# Altium PCB higgs.PcbDoc (part 10 of 25) (continued)
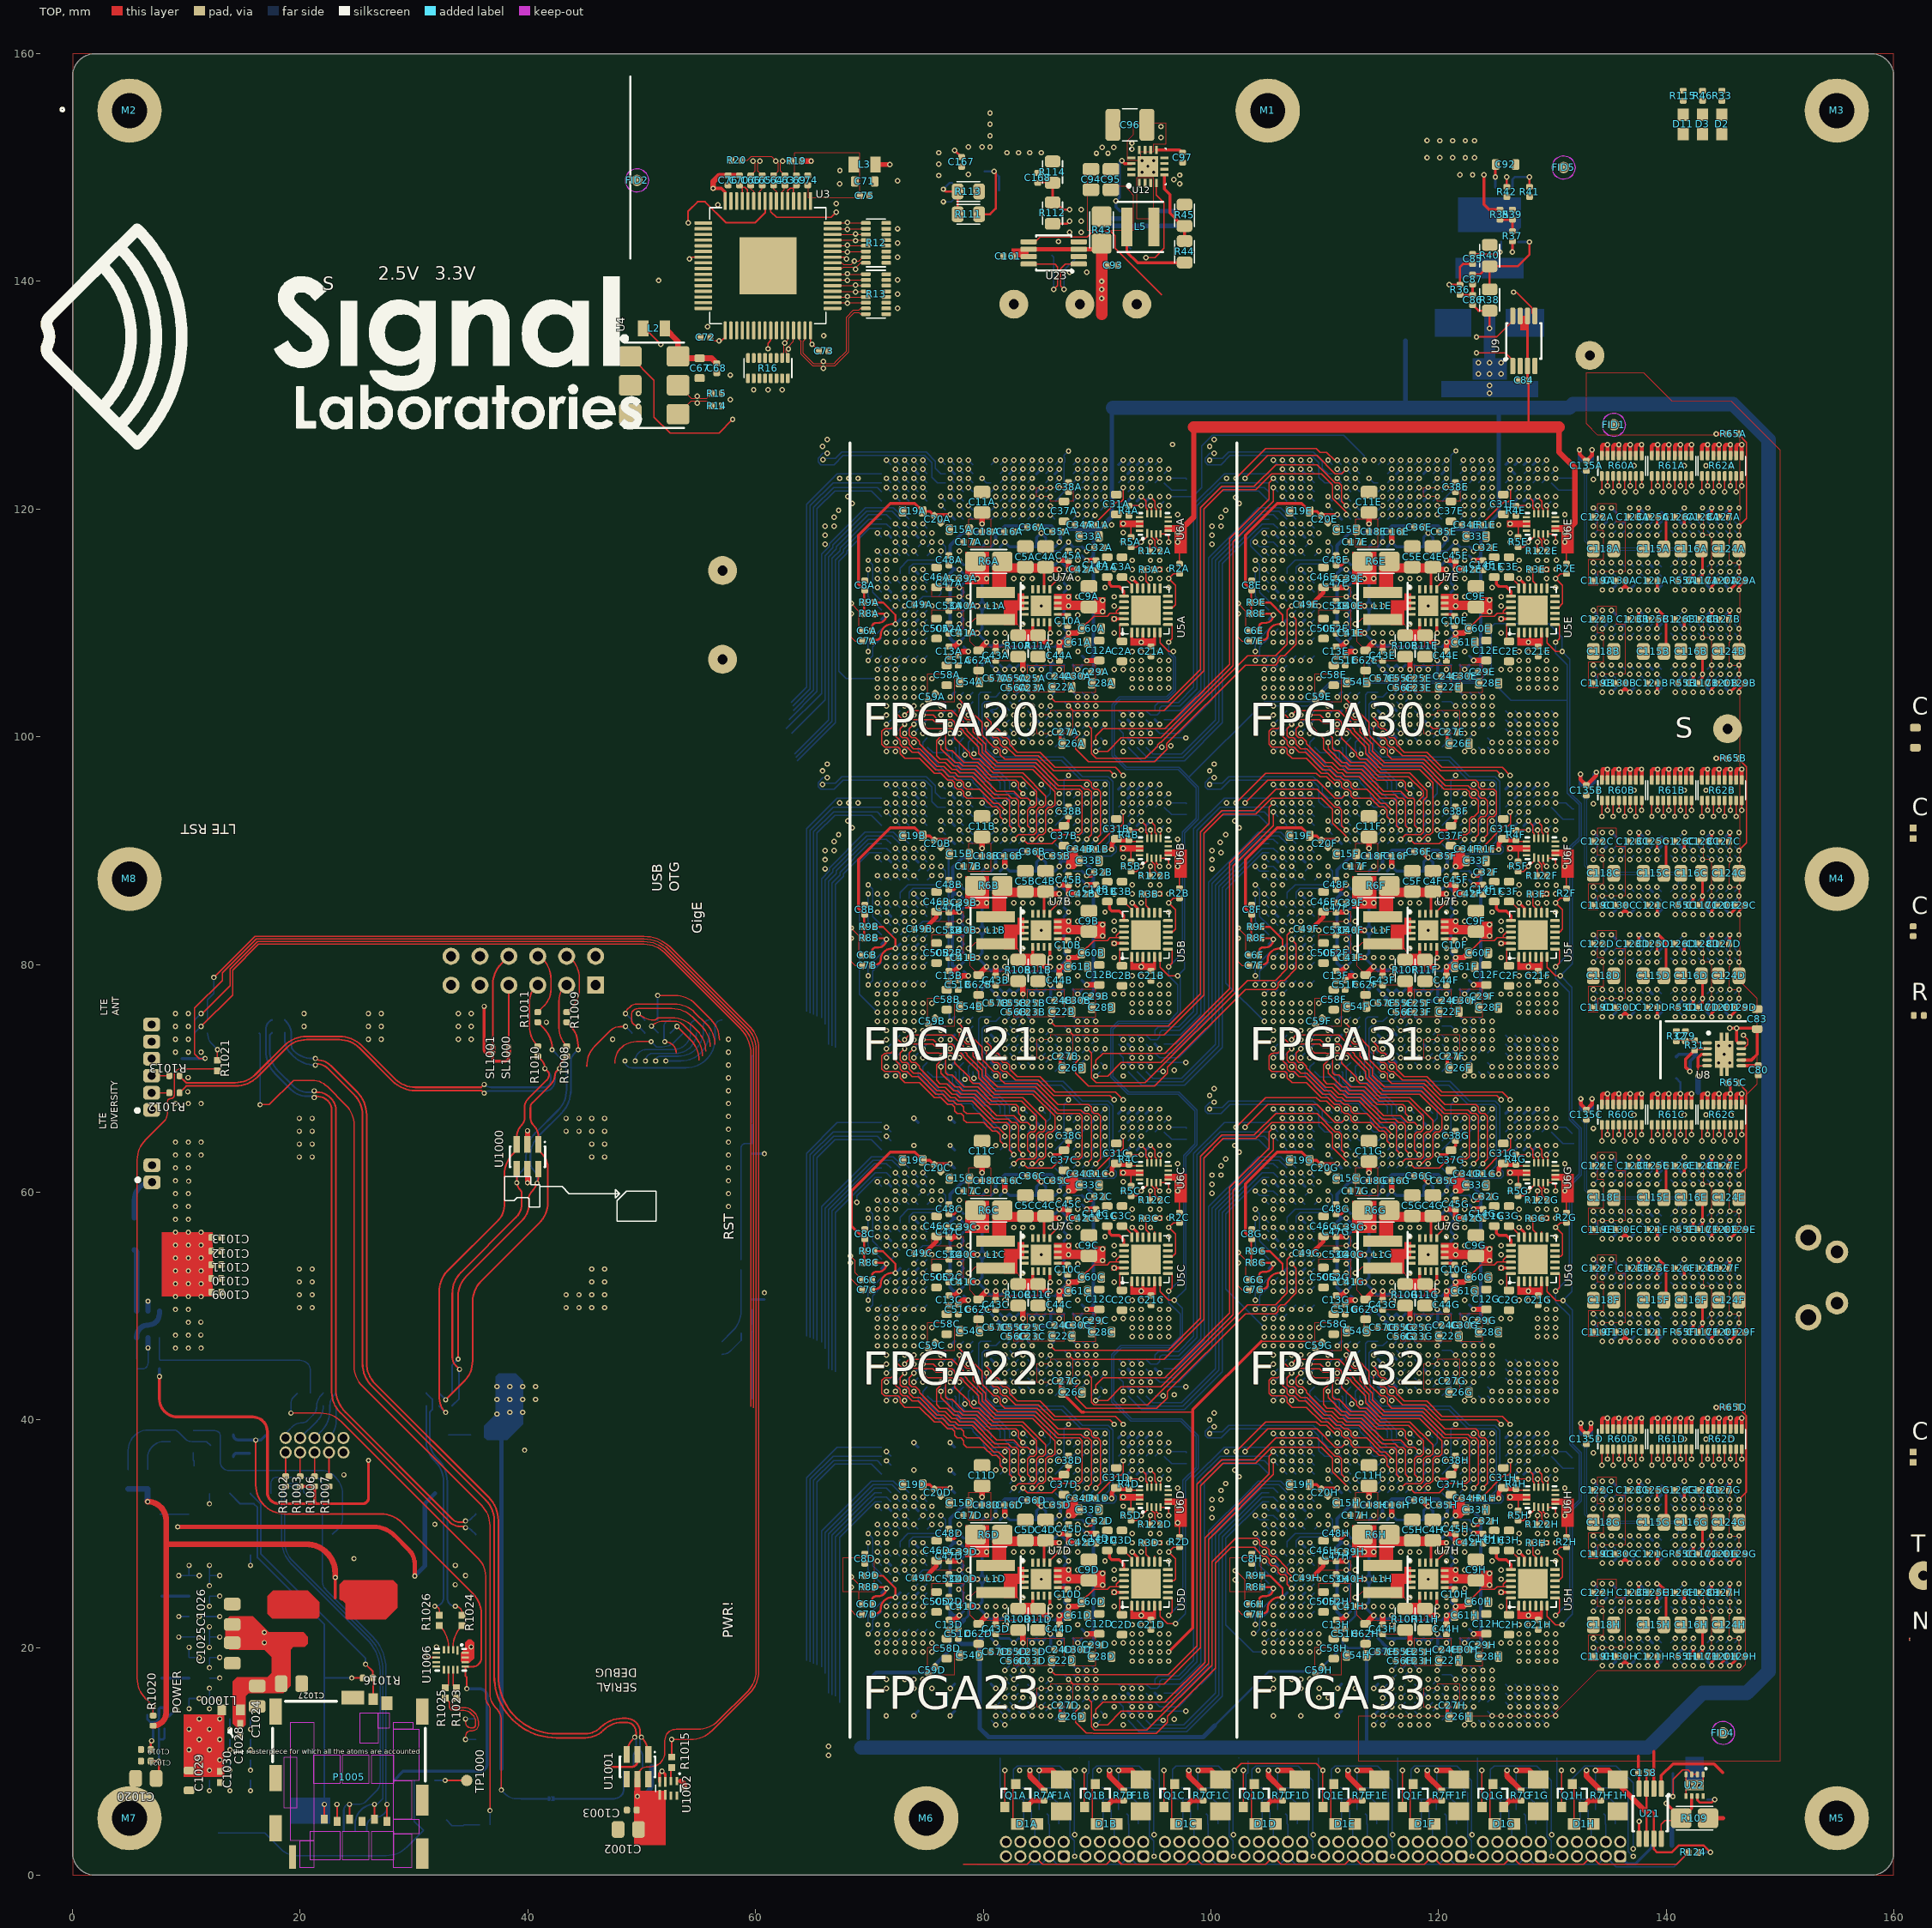
[diagram p0: TOP view]
## Nets (pads, with @x,y where several pads share a name; then routed paths per layer and width w, separated by ;. In a path a pad name is that pad's centre, name@x,y a point inside that pad or via, vN(x,y) a via of type N, cw(c..) or ccw(c..) an arc to the next point about the centre after c; other vN are vias at no path point) (continued)
  BOT w0.102: U1B.U28@83.9,73.8 v1(84.3,73.4) ; v1(107.1,95) U1F.D2@107.5,94.6
  other v1: 101.4,94.2
IL07_31.LR.G0.D4_P: U1B.T29 U1F.D3 | length 42.9
  S6(H) w0.102: v1(82.7,72.6) 82.7,72.836 83.099,73.235 83.099,73.368 83.101,73.37 83.101,73.565 83.335,73.799 83.664,73.799 83.899,74.035 83.899,76.099 84.699,76.899 84.699,81.099 85.401,81.801 88.465,81.801 90.101,83.436 90.101,83.665 90.636,84.201 91.401,84.201 92.201,85.001 97.008,85.001 98.693,86.686 98.693,92.11 101.583,95 101.592,95 102.153,95.562 104.743,95.562 105.21,95.094 105.641,95.094 106.136,94.599 106.701,94.599 v1(107.1,94.2)
  BOT w0.102: v1(82.7,72.6) U1B.T29@83.1,73 ; v1(107.1,94.2) U1F.D3@107.5,93.8
IL07_31.LR.G0.S_N: U1B.T28 U1F.C2 | length 41.4
  S6(H) w0.102: v1(82.7,73.4) 82.7,73.636 83.1,74.036 83.1,76 83.901,76.801 83.901,77.601 84.364,78.064 84.364,81.664 85.301,82.601 88.136,82.601 90.736,85.2 91.969,85.2 92.075,85.306 92.23,85.306 92.725,85.801 97.101,85.801 98.109,86.809 98.109,92.151 101.824,95.866 104.869,95.866 105.336,95.399 105.899,95.399 106.298,95 v1(106.3,95)
  BOT w0.102: v1(82.7,73.4) U1B.T28@83.1,73.8 ; v1(106.3,95) U1F.C2@106.7,94.6
IL07_31.LR.G0.S_P: U1B.R29 U1F.B1 | length 42.1
  S6(H) w0.102: v1(81.9,72.6) 82.301,73.001 82.301,75.632 83.101,76.432 83.101,77.701 83.899,78.499 83.899,82.364 84.936,83.401 88.465,83.401 90.664,85.6 91.8,85.6 92.5,86.3 92.8,86.6 96.83,86.6 97.804,87.574 97.804,92.277 101.698,96.171 105.3,96.171 105.5,95.971 v1(105.5,95.8)
  BOT w0.102: v1(81.9,72.6) U1B.R29@82.3,73 ; v1(105.5,95.8) U1F.B1@105.9,95.4
IL07_31.LR.G1.D0_N: U1B.P30 U1F.E1 | length 46.3
  S6(H) w0.102: v1(81.1,71.8) 81.5,72.2 81.5,76 82.299,76.799 82.299,77.699 83.1,78.5 83.1,82.538 84.763,84.201 88.601,84.201 91.801,87.401 97.2,87.401 97.499,87.7 97.499,92.404 101.571,96.476 107.224,96.476 v1(107.9,95.8)
  BOT w0.102: v1(81.1,71.8) U1B.P30@81.5,72.2 ; v1(107.9,95.8) U1F.E1@108.3,95.4
IL07_31.LR.G1.D0_P: U1B.P31 U1F.F2 | length 49.4
  S6(H) w0.102: v1(81.9,71) 81.499,71.401 80.935,71.401 80.701,71.635 80.701,71.999 80.7,72 80.7,76.3 81.501,77.101 81.501,77.799 82.604,78.902 82.604,82.473 85.132,85.001 88.502,85.001 91.702,88.201 96.465,88.201 96.701,88.436 96.701,92.036 101.445,96.781 107.484,96.781 108.299,95.965 108.299,95.702 108.301,95.7 108.301,95.401 108.7,95.002 v1(108.7,95)
  BOT w0.102: U1B.P31@81.5,71.4 v1(81.9,71) ; v1(108.7,95) U1F.F2@109.1,94.6
IL07_31.LR.G1.D1_N: U1B.T30 U1F.H1 | length 45.8
  S6(H) w0.102: v1(83.5,72.6) 83.899,72.201 84.465,72.201 84.701,72.436 84.701,72.765 84.936,73.001 85.265,73.001 85.499,73.235 85.499,73.564 85.736,73.801 86.065,73.801 86.299,74.035 86.299,77.564 87.099,78.364 87.099,79.199 88.29,80.39 88.652,80.39 89.662,81.4 91.614,81.4 93.806,83.591 96.891,83.591 99.607,86.307 99.607,91.732 101.371,93.495 104.84,93.495 106.135,92.201 107.265,92.201 107.499,92.435 107.499,92.764 107.735,92.999 107.898,92.999 107.9,93.001 108.065,93.001 108.299,93.235 108.299,93.564 108.536,93.801 108.865,93.801 109.099,94.035 109.099,94.404 109.899,95.204 109.899,95.399 v1(110.3,95.8)
  BOT w0.102: U1B.T30@83.1,72.2 v1(83.5,72.6) ; v1(110.3,95.8) U1F.H1@110.7,95.4
IL07_31.LR.G1.D1_P: U1B.R30 U1F.F1 | length 45.5
  S6(H) w0.102: v1(82.7,71.8) 83.099,72.199 83.099,72.764 83.335,72.999 83.6,72.999 84.464,72.999 84.699,73.235 84.699,73.564 84.935,73.799 85.264,73.799 85.499,74.035 85.499,76.468 85.804,76.773 85.804,77.539 86.299,78.035 86.299,78.835 88.159,80.694 88.525,80.694 89.931,82.1 91.164,82.1 92.961,83.896 96.765,83.896 99.303,86.434 99.303,91.858 101.245,93.8 105.664,93.8 105.899,93.565 105.899,93.401 105.901,93.399 105.901,93.235 106.136,92.999 107.264,92.999 107.501,93.236 107.501,93.565 107.736,93.801 108.065,93.801 108.299,94.035 108.299,94.364 108.536,94.601 108.865,94.601 109.099,94.835 109.099,95.401 v1(108.7,95.8)
  BOT w0.102: U1B.R30@82.3,72.2 v1(82.7,71.8) ; v1(108.7,95.8) U1F.F1@109.1,95.4
IL07_31.LR.G1.D2_N: U1B.P32 U1F.H3 | length 52.8
  S1(V) w0.102: v1(81.9,70.2) 82.3,70.6 82.3,78 86.901,82.601 88.096,82.601 91.295,85.799 96.5,85.799 97.804,87.103 97.804,90.201 100.205,92.602 100.205,95.425 100.394,95.615 v1@100.394,96.306
  BOT w0.102: U1B.P32@81.5,70.6 v1(81.9,70.2) ; v1(100.3,96.4) 99.936,96.4 99.501,95.965 99.501,95.635 99.735,95.401 100.901,95.401 101.699,96.199 108.865,96.199 108.932,96.132 109.5,95.566 109.5,94.3 110,93.8 U1F.H3@110.7,93.8
IL07_31.LR.G1.D2_P: U1B.N32 U1F.H2 | length 49.9
  S1(V) w0.102: v1(81.1,70.2) 81.499,70.599 81.499,78.035 86.865,83.401 88.465,83.401 90.9,85.836 90.9,86.7 92.401,88.201 96.8,88.201 97.265,88.201 97.499,88.435 97.499,90.328 99.9,92.729 v1(99.9,95.8)
  BOT w0.102: U1B.N32@80.7,70.6 v1(81.1,70.2) ; v1@99.933,95.933 101.002,95.933 101.573,96.504 108.993,96.504 109.805,95.692 109.805,95.1 110.305,94.6 U1F.H2@110.7,94.6
IL07_31.LR.G1.D3_N: U1B.Y30 U1F.K3 | length 42.7
  S1(V) w0.102: v1(85.9,72.6) 85.499,73.001 85.499,77.099 87.001,78.601 90.065,78.601 93.501,82.036 93.501,82.365 93.736,82.6 96.793,82.6 99.023,84.83 99.023,88.723 99.5,89.2 v1(100.1,89.2)
  S5(V) w0.102: v1(100.1,89.2) 100.5,89.6 100.5,90.164 100.598,90.263 100.627,90.234 101.037,90.234 101.204,90.401 103.166,90.401 103.974,91.209 109,91.209 109.901,92.11 109.901,93.1 110.6,93.799 111.264,93.799 111.664,94.2 v1(111.9,94.2)
  BOT w0.102: v1(85.9,72.6) U1B.Y30@86.3,72.2 ; v1(111.9,94.2) U1F.K3@112.3,93.8
IL07_31.LR.G1.D3_P: U1B.W30 U1F.J3 | length 44.1
  S1(V) w0.102: v1(85.1,71.8) 84.701,72.199 84.701,77.901 86.2,79.4 86.699,79.4 ; 86.7,79.401 89.615,79.401 94.109,83.894 97.656,83.894 98.718,84.956 98.718,89.809 99.71,90.8 v1@100.9,90.8
  S5(V) w0.102: v1(100.832,90.729) 103.063,90.729 103.848,91.514 108.874,91.514 109.596,92.236 109.596,93.226 110.57,94.2 v1(111.1,94.2)
  BOT w0.102: v1(85.1,71.8) U1B.W30@85.5,72.2 ; v1(111.1,94.2) U1F.J3@111.5,93.8
IL07_31.LR.G1.D4_N: U1B.U30 U1F.L1 | length 53.5
  S1(V) w0.102: v1(84.3,71.8) 83.901,72.199 83.901,78.739 85.362,80.2 89.2,80.2 91.1,82.1 91.1,83.799 ; 91.101,83.8 91.101,83.965 91.335,84.199 96.1,84.199 96.102,84.201 96.465,84.201 98.414,86.149 98.414,89.945 98.975,90.507 98.975,90.511 100.814,92.35 100.814,94.3 101.3,94.786 101.3,96.469 100.3,97.469 v1(100.3,97.6)
  S6(H) w0.102: v1(100.3,97.6) 111.6,97.6 112.7,96.5 v1(112.7,95.8)
  BOT w0.102: U1B.U30@83.9,72.2 v1(84.3,71.8) ; v1(112.7,95.8) U1F.L1@113.1,95.4
IL07_31.LR.G1.D4_P: U1B.U31 U1F.K1 | length 52.7
  S1(V) w0.102: v1(84.3,71) 83.1,72.2 83.1,78.369 85.73,80.999 88.624,80.999 90.101,82.476 90.101,83.665 90.636,84.201 90.865,84.201 91.665,85.001 96.465,85.001 98.109,86.644 98.109,90.075 100.51,92.476 100.51,95.299 100.699,95.489 100.699,96.565 100.264,97 v1(99.9,97)
  S2(H) w0.102: v1(99.9,97) 106.369,97 106.474,96.895 110.985,96.895 111.9,95.98 v1(111.9,95.8)
  BOT w0.102: U1B.U31@83.9,71.4 v1(84.3,71) ; v1(111.9,95.8) U1F.K1@112.3,95.4
IL07_31.LR.G1.S_N: U1B.T31 U1F.J1 | length 48.7
  TOP w0.102: v1(102.2,94.2) 104.8,96.8 109.28,96.8 109.585,96.495 110.169,96.495 110.864,95.8 v1(111.1,95.8)
  S1(V) w0.102: v1(83.5,71) 83.899,70.601 86.545,70.601 87.901,71.956 87.901,71.965 88.135,72.199 88.464,72.199 88.699,72.435 88.699,73.564 88.936,73.801 89.265,73.801 89.501,74.036 89.501,74.365 89.735,74.599 89.9,74.599 89.902,74.601 90.065,74.601 90.364,74.9 90.5,74.9 92.599,76.999 97.506,76.999 99.186,78.679 99.186,82.555 101.309,84.678 101.309,88.047 101.699,88.437 101.699,91.565 101.3,91.964 101.3,93.3 v1(102.2,94.2)
  BOT w0.102: U1B.T31@83.1,71.4 v1(83.5,71) ; v1(111.1,95.8) U1F.J1@111.5,95.4
IL07_31.LR.G1.S_P: U1B.R32 U1F.K2 | length 50.5
  TOP w0.102: v1(103,94.2) 104.999,96.199 109.336,96.199 110.935,94.601 111.501,94.601 v1(111.9,95)
  S1(V) w0.102: v1(82.7,71) 83.404,70.296 87.361,70.296 88.699,71.635 88.699,71.948 88.701,71.95 88.701,71.965 88.935,72.199 89.264,72.199 89.499,72.435 89.499,73.4 89.501,73.402 89.501,73.565 89.736,73.801 90.299,73.801 90.698,74.2 90.7,74.2 92.7,76.2 97.138,76.2 99.49,78.553 99.49,82.386 101.7,84.596 101.7,87.962 102.1,88.362 102.1,91.8 101.7,92.2 101.7,92.9 v1(103,94.2)
  BOT w0.102: U1B.R32@82.3,70.6 v1(82.7,71) ; v1(111.9,95) U1F.K2@112.3,94.6
IL07_31.LR.G2.D0_N: U1B.Y27 U1F.K7 | length 45.7
  TOP w0.102: v1(87.5,74.2) 87.899,73.801 95.901,73.801 99.4,77.3 99.4,91.5 101.1,93.2 103.936,93.2 105.336,94.6 109.705,94.6 110.699,93.605 110.699,92.601 110.701,92.599 110.701,92.435 111.9,91.236 v1(111.9,91)
  BOT w0.102: U1B.Y27@86.3,74.6 87.1,74.6 v1(87.5,74.2) ; v1(111.9,91) U1F.K7@112.3,90.6
IL07_31.LR.G2.D0_P: U1B.Y26 U1F.K6 | length 46.5
  TOP w0.102: v1(85.9,75) 86.3,74.6 96.269,74.6 99.095,77.426 99.095,91.626 100.974,93.505 103.809,93.505 105.704,95.399 109.336,95.399 110.935,93.801 111.198,93.801 111.2,93.799 111.265,93.799 111.499,93.565 111.499,93.236 111.501,93.235 111.501,92.199 v1(111.9,91.8)
  BOT w0.102: v1(85.9,75) U1B.Y26@86.3,75.4 ; v1(111.9,91.8) U1F.K6@112.3,91.4
IL07_31.LR.G2.D1_N: U1B.W28 U1F.L4 | length 38.4
  S2(H) w0.102: v1(85.9,74.2) 89.577,77.877 89.577,78.197 90.769,79.389 90.769,80.433 92.935,82.599 96.485,82.599 100.6,86.714 100.6,88.731 103.992,92.123 109.197,92.123 109.596,92.523 109.596,92.892 110.504,93.799 112.301,93.799 v1(112.7,93.4)
  BOT w0.102: U1B.W28@85.5,73.8 v1(85.9,74.2) ; v1(112.7,93.4) U1F.L4@113.1,93
IL07_31.LR.G2.D1_P: U1B.Y28 U1F.K5 | length 36.1
  S2(H) w0.102: v1(86.7,73.4) 86.7,73.964 90.186,77.451 90.186,77.944 93.053,80.811 95.559,80.811 101.21,86.461 101.21,88.479 104.245,91.514 109.449,91.514 110.136,92.201 111.501,92.201 v1(111.9,92.6)
  BOT w0.102: U1B.Y28@86.3,73.8 v1(86.7,73.4) ; v1(111.9,92.6) U1F.K5@112.3,92.2
IL07_31.LR.G2.D2_N: U1B.W29 U1F.N7 | length 41.1
  S2(H) w0.102: v1(85.9,73.4) 86.395,73.895 86.395,74.091 89.882,77.577 89.882,78.07 92.927,81.115 95.433,81.115 100.905,86.587 100.905,88.605 104.118,91.818 109.323,91.818 109.901,92.396 109.901,92.765 110.135,92.999 110.6,92.999 113.101,92.999 v1(115.1,91)
  BOT w0.102: U1B.W29@85.5,73 v1(85.9,73.4) ; U1F.N7@114.7,90.6 v1(115.1,91)
IL07_31.LR.G2.D2_P: U1B.Y29 U1F.N6 | length 46.7
  S6(H) w0.102: v1(86.7,72.6) 87.099,72.999 87.099,75.899 87.709,76.509 87.709,78.209 88.101,78.601 88.663,78.601 90.263,80.201 91.665,80.201 91.964,80.5 ; 91.96,80.504 93.055,81.6 98.256,81.6 100.41,83.754 100.41,87.91 104.396,91.896 107.761,91.896 108.299,92.435 108.299,92.498 108.301,92.5 108.301,92.765 108.535,92.999 109.099,92.999 109.901,93.801 112.936,93.801 113.736,94.601 114.464,94.601 115.501,93.564 115.501,92.201 v1(115.1,91.8)
  BOT w0.102: U1B.Y29@86.3,73 v1(86.7,72.6) ; U1F.N6@114.7,91.4 v1(115.1,91.8)
IL07_31.LR.G2.D3_N: U1B.AC27 U1F.P7 | length 38.6
  S2(H) w0.102: v1(89.1,74.2) 89.499,74.599 90.064,74.599 91.899,76.435 91.899,77.564 92.935,78.599 92.999,78.599 ; 93,78.6 97.9,78.6 98.2,78.9 98.2,80.5 ; 98.182,80.5 98.182,81.71 102.429,85.956 102.429,87.974 104.254,89.799 110.598,89.799 110.6,89.801 115.101,89.801 115.9,90.6 v1(115.9,91)
  BOT w0.102: U1B.AC27@88.7,74.6 v1(89.1,74.2) ; U1F.P7@115.5,90.6 v1(115.9,91)
IL07_31.LR.G2.D3_P: U1B.AB26 U1F.P6 | length 39.1
  S2(H) w0.102: v1(88.3,75) 88.3,75.133 90.491,77.325 90.491,77.818 93.179,80.506 95.685,80.506 101.514,86.335 101.514,88.352 104.371,91.209 110.5,91.209 110.69,91.399 111,91.399 ; 111,91.4 111.8,91.4 112.065,91.401 112.299,91.635 112.299,91.964 112.535,92.199 113.336,92.199 114.935,90.601 115.265,90.601 115.5,90.836 115.5,91.4 v1(115.9,91.8)
  BOT w0.102: U1B.AB26@87.9,75.4 v1(88.3,75) ; U1F.P6@115.5,91.4 v1(115.9,91.8)
IL07_31.LR.G2.D4_N: U1B.AD26 U1F.L6 | length 35.2
  S2(H) w0.102: v1(89.9,75) 91.101,76.201 91.101,77.565 92.936,79.4 96.9,79.4 97.8,80.3 97.8,80.8 ; 97.782,80.8 97.782,81.741 102.124,86.082 102.124,88.1 104.623,90.599 110.074,90.599 110.478,90.195 112.46,90.195 113.099,90.835 113.099,91.399 v1(112.7,91.8) v1(112.7,91.8)
  BOT w0.102: U1B.AD26@89.5,75.4 v1(89.9,75) ; v1(112.7,91.8) U1F.L6@113.1,91.4
IL07_31.LR.G2.D4_P: U1B.AC26 U1F.L7 | length 33.5
  S2(H) w0.102: v1(89.1,75) 90.796,76.696 90.796,77.692 93.305,80.201 95.811,80.201 101.819,86.209 101.819,88.226 104.497,90.904 110.201,90.904 110.605,90.5 112.2,90.5 v1(112.7,91)
  BOT w0.102: U1B.AC26@88.7,75.4 v1(89.1,75) ; v1(112.7,91) U1F.L7@113.1,90.6
IL07_31.LR.G2.S_N: U1B.AB27 U1F.N4 | length 41.4
  S6(H) w0.102: v1(88.3,74.2) 88.699,73.801 89.265,73.801 89.499,74.035 89.499,77.068 93.018,80.587 98.105,80.587 101.231,83.713 101.231,87.869 104.649,91.287 108.618,91.287 109.505,92.174 109.505,92.436 110.068,92.999 110.2,92.999 110.465,92.999 110.699,92.765 110.699,92.436 110.935,92.201 113.901,92.201 v1(115.1,93.4)
  BOT w0.102: U1B.AB27@87.9,74.6 v1(88.3,74.2) ; U1F.N4@114.7,93 v1(115.1,93.4)
IL07_31.LR.G2.S_P: U1B.AB28 U1F.N3 | length 41.3
  S6(H) w0.102: v1(88.3,73.4) 87.901,73.799 87.901,74.365 88.136,74.601 88.465,74.601 88.699,74.835 88.699,75.699 88.7,75.7 88.7,76.7 92.892,80.892 97.979,80.892 100.714,83.628 100.714,87.783 104.522,91.591 108.491,91.591 109.2,92.3 109.2,92.669 109.931,93.4 110.536,93.4 110.935,93.001 113.301,93.001 113.9,93.6 v1(113.9,94.2)
  BOT w0.102: U1B.AB28@87.9,73.8 v1(88.3,73.4) ; v1(113.9,94.2) 114.3,93.8 U1F.N3@114.7,93.8
IL07_31.LR.G3.D0_N: U1B.AE30 U1F.E3 | length 37.6
  S1(V) w0.102: v1(90.7,72.6) 93.1,75 96.8,75 100.1,78.3 100.1,81.9 102.498,84.298 102.498,87.898 103,88.4 103,92.4 102.8,92.6 v1(102.099,92.6)
  S5(V) w0.102: v1(102.099,92.6) 102.8,92.6 103.277,92.123 108,92.123 108.299,92.422 108.299,92.765 108.299,93.801 v1(107.9,94.2)
  BOT w0.102: U1B.AE30@90.3,72.2 v1(90.7,72.6) ; v1(107.9,94.2) U1F.E3@108.3,93.8
IL07_31.LR.G3.D0_P: U1B.AD30 U1F.F3 | length 37
  S1(V) w0.102: v1(89.9,72.6) 92.605,75.305 96.674,75.305 99.795,78.426 99.795,82.26 102.099,84.564 102.099,87.93 102.5,88.331 v1(102.5,92)
  S5(V) w0.102: v1(102.5,92) 102.682,91.818 108.483,91.818 109.099,92.435 109.099,93.801 v1(108.7,94.2) v1(108.7,94.2)
  BOT w0.102: U1B.AD30@89.5,72.2 v1(89.9,72.6) ; v1(108.7,94.2) U1F.F3@109.1,93.8
IL07_31.LR.G3.D1_N: U1B.Y32 U1F.D1 | length 39.8
  S1(V) w0.102: v1(87.5,72.6) 87.9,73 87.9,73.564 88.135,73.799 88.464,73.799 88.701,74.037 88.701,74.365 88.935,74.599 89.264,74.599 89.5,74.836 89.5,75.964 94.236,80.7 96.9,80.7 101,84.8 101,88.088 101.004,88.093 ; 101,88.097 101,88.169 101.3,88.469 101.3,89.658 101.306,89.664 101.306,89.995 101.3,90.001 v1(101.3,91.4)
  S5(V) w0.102: v1(101.3,91.4) 101.3,92.365 101.934,92.999 107.099,92.999 107.101,93.001 107.265,93.001 107.5,93.236 107.5,95.4 v1(107.1,95.8)
  BOT w0.102: U1B.Y32@86.3,70.6 87.1,71.4 87.1,72.2 v1(87.5,72.6) ; v1(107.1,95.8) U1F.D1@107.5,95.4
IL07_31.LR.G3.D1_P: U1B.W31 U1F.C1 | length 39.6
  S1(V) w0.102: v1(85.9,71.8) 86.301,72.201 86.301,76.301 87.799,77.799 89.695,77.799 93.696,81.801 96.425,81.801 99.701,85.077 99.701,88.565 99.935,88.799 100.264,88.799 100.499,89.035 100.499,89.601 v1(100.1,90)
  S5(V) w0.102: v1(100.1,90) 100.101,91.699 102.201,93.799 106.3,93.799 106.302,93.801 106.465,93.801 106.699,94.035 106.699,95.401 v1(106.3,95.8)
  BOT w0.102: U1B.W31@85.5,71.4 v1(85.9,71.8) ; v1(106.3,95.8) U1F.C1@106.7,95.4
IL07_31.LR.G3.D2_N: U1B.AD29 U1F.L3 | length 56.7
  S6(H) w0.102: 89.265,72.199 88.935,72.199 ; v1(89.9,73.4) 89.499,72.999 89.499,72.435 89.265,72.201 88.936,72.201 88.935,72.199 ; 109.099,76.699 109.099,75.635 108.065,74.601 102.894,74.601 97.484,69.191 89.482,69.191 88.396,70.277 88.396,71.292 ; 109.1,76.7 109.1,79.069 111.405,81.374 111.405,81.8 111.499,81.894 111.499,88.364 113.735,90.599 116.064,90.599 116.299,90.835 116.299,93.565 116.065,93.799 115.696,93.799 114.59,94.906 113.406,94.906 v1(112.7,94.2) ; 88.396,71.292 88.396,71.332 88.699,71.635 88.699,71.964 88.701,71.965 ; 88.396,71.292 88.701,71.596 88.701,71.965 ; 88.701,71.965 88.935,72.199
  BOT w0.102: U1B.AD29@89.5,73 v1(89.9,73.4) ; v1(112.7,94.2) U1F.L3@113.1,93.8
IL07_31.LR.G3.D2_P: U1B.AC28 U1F.L2 | length 58.2
  S6(H) w0.102: v1(89.1,73.4) 88.7,73 88.7,72.4 88.499,72.199 88.135,72.199 87.901,71.965 87.901,70.342 89.356,68.887 97.611,68.887 102.525,73.801 108.865,73.801 109.899,74.835 109.899,78.699 112.3,81.1 112.3,88.036 114.559,90.294 116.559,90.294 117.099,90.835 117.099,90.899 117.1,90.9 ; v1(112.7,95) 112.91,95.211 115.454,95.211 116.299,94.365 116.299,94.036 116.536,93.799 116.865,93.799 117.099,93.565 117.099,90.901
  BOT w0.102: U1B.AC28@88.7,73.8 v1(89.1,73.4) ; v1(112.7,95) U1F.L2@113.1,94.6
IL07_31.LR.G3.D3_N: U1B.AB29 U1F.K4 | length 38
  S1(V) w0.102: v1(87.5,73.4) 87.5,73.636 87.899,74.035 87.899,74.364 88.135,74.599 88.298,74.599 88.3,74.601 88.465,74.601 88.699,74.835 88.699,74.999 88.701,75.001 88.701,75.596 94.109,81.005 96.774,81.005 100.695,84.926 100.695,88.295 100.907,88.507 v1(100.907,89.829)
  S5(V) w0.102: v1(100.907,89.829) 103.025,89.829 104.1,90.904 109.968,90.904 110.701,91.636 110.701,92.765 110.935,92.999 111.499,92.999 v1(111.9,93.4)
  BOT w0.102: v1(87.5,73.4) U1B.AB29@87.9,73 ; v1(111.9,93.4) U1F.K4@112.3,93
IL07_31.LR.G3.D3_P: U1B.AB30 U1F.J4 | length 42
  S1(V) w0.102: v1(88.3,72.6) 88.064,72.6 87.665,72.201 87.335,72.201 87.099,72.436 87.099,74.364 88.396,75.661 88.396,75.723 93.983,81.31 96.648,81.31 100.1,84.762 v1(100.1,88.4)
  S5(V) w0.102: v1(100.1,88.4) 102.201,88.4 104.4,90.599 110.095,90.599 111.696,92.201 112.065,92.201 112.299,92.435 112.299,92.765 112.299,93.565 112.064,93.8 111.695,93.8 111.295,93.4 v1(111.1,93.4)
  BOT w0.102: U1B.AB30@87.9,72.2 v1(88.3,72.6) ; v1(111.1,93.4) U1F.J4@111.5,93
IL07_31.LR.G3.D4_N: U1B.AE31 U1F.H5 | length 39.7
  S6(H) w0.102: v1(90.7,71) 91.899,69.801 97.232,69.801 103.632,76.201 107.265,76.201 107.501,76.436 107.501,78.836 108.299,79.635 108.299,79.964 108.536,80.201 109.37,80.201 110.795,81.626 110.795,90.173 109.901,91.067 109.901,92.201 v1(110.3,92.6)
  BOT w0.102: U1B.AE31@90.3,71.4 v1(90.7,71) ; v1(110.3,92.6) U1F.H5@110.7,92.2
IL07_31.LR.G3.D4_P: U1B.AC31 U1F.H6 | length 42.9
  S6(H) w0.102: v1(89.1,71.8) 89.1,71.564 88.701,71.165 88.701,70.404 89.608,69.496 97.358,69.496 103.261,75.399 108.064,75.399 108.299,75.635 108.299,78.699 111.1,81.5 111.1,90.299 110.3,91.099 v1(110.3,91.8)
  BOT w0.102: U1B.AC31@88.7,71.4 v1(89.1,71.8) ; v1(110.3,91.8) U1F.H6@110.7,91.4
IL07_31.LR.G3.S_N: U1B.AB31 U1F.D17 | length 29.9
  TOP w0.102: v1(88.3,71.8) 88.3,71.541 88.115,71.356 88.115,70.444 89.259,69.3 95.064,69.3 96.199,70.435 96.199,70.968 103.032,77.801 105.665,77.801 105.901,78.037 105.901,78.365 106.135,78.599 106.464,78.599 107.499,79.635 107.499,79.799 107.5,79.8 107.499,79.801 107.499,81.801 v1(107.1,82.2)
  BOT w0.102: U1B.AB31@87.9,71.4 v1(88.3,71.8) ; v1(107.1,82.2) U1F.D17@107.5,82.6
IL07_31.LR.G3.S_P: U1B.AC30 U1F.C17 | length 28.9
  TOP w0.102: v1(89.1,72.6) 89.499,72.201 89.499,70.036 89.931,69.605 94.24,69.605 103.236,78.601 105.665,78.601 106.699,79.635 106.699,82.599 v1(107.1,83)
  BOT w0.102: U1B.AC30@88.7,72.2 v1(89.1,72.6) ; U1F.C17@106.7,82.6 v1(107.1,83)
IL07_31.TB.G8.D0_N: U1B.AG29 U1F.D9 | length 27.1
  S2(H) w0.102: v1(92.3,72.6) 92.699,72.999 96.323,72.999 101.981,78.657 101.981,79.481 103.501,81.001 103.501,86.365 103.735,86.599 104.064,86.599 104.301,86.836 104.301,87.165 104.535,87.399 104.864,87.399 105.099,87.635 105.099,87.964 105.335,88.199 105.599,88.199 105.601,88.201 105.665,88.201 105.9,88.436 105.9,88.764 106.135,88.999 106.464,88.999 106.864,89.4 v1(107.1,89.4)
  BOT w0.102: U1B.AG29@91.9,73 v1(92.3,72.6) ; v1(107.1,89.4) U1F.D9@107.5,89
IL07_31.TB.G8.D0_P: U1B.AG28 U1F.F9 | length 34.2
  S2(H) w0.102: v1(92.3,73.4) 91.901,73.001 91.901,72.435 92.936,71.399 93.265,71.399 93.501,71.164 93.501,70.699 93.999,70.201 97.165,70.201 103.082,76.118 103.082,79.289 105.592,81.799 107.264,81.799 107.499,82.035 107.499,83.635 107.501,83.636 107.501,85.565 107.735,85.799 108.064,85.799 108.301,86.036 108.301,86.774 109.099,87.573 109.099,89.001 v1(108.7,89.4)
  BOT w0.102: U1B.AG28@91.9,73.8 v1(92.3,73.4) ; v1(108.7,89.4) U1F.F9@109.1,89
IL07_31.TB.G8.D1_N: U1B.AH28 U1F.A9 | length 23.6
  S2(H) w0.102: v1(93.1,73.4) 93.69,73.99 96.452,73.99 101.371,78.909 101.371,79.733 102.891,81.253 102.891,86.987 104.3,88.395 104.3,89 v1(104.7,89.4)
  BOT w0.102: U1B.AH28@92.7,73.8 v1(93.1,73.4) ; v1(104.7,89.4) U1F.A9@105.1,89
IL07_31.TB.G8.D1_P: U1B.AJ28 U1F.C9 | length 24.2
  S2(H) w0.102: v1(93.9,73.4) 96.293,73.4 101.676,78.783 101.676,79.607 103.196,81.127 103.196,86.861 104.535,88.199 104.864,88.199 105.099,88.435 105.099,88.764 105.335,88.999 105.581,88.999 ; 105.582,89 105.664,89 106.064,89.4 v1(106.3,89.4)
  BOT w0.102: U1B.AJ28@93.5,73.8 v1(93.9,73.4) ; v1(106.3,89.4) U1F.C9@106.7,89
IL07_31.TB.G8.D2_N: U1B.AG30 U1F.C11 | length 28.7
  S6(H) w0.102: v1(92.3,71) 92.701,71.401 93.265,71.401 93.499,71.635 93.499,71.964 93.735,72.199 93.898,72.199 93.9,72.201 94.865,72.201 95.099,72.435 95.099,72.499 95.101,72.501 95.101,72.765 95.717,73.382 96.889,73.382 101.914,78.408 101.914,87.179 102.936,88.2 105.9,88.2 v1(106.3,87.8)
  BOT w0.102: U1B.AG30@91.9,72.2 92.3,71.8 v1(92.3,71) ; v1(106.3,87.8) U1F.C11@106.7,87.4
IL07_31.TB.G8.D2_P: U1B.AH30 U1F.D11 | length 28.6
  S6(H) w0.102: v1(93.1,71.8) 93.1,72.036 93.499,72.435 93.499,72.599 93.5,72.764 93.736,73 94.064,73 94.751,73.686 96.762,73.686 101.61,78.534 101.61,87.305 103.304,88.999 104.699,88.999 ; 104.7,89 106.464,89 106.699,88.765 106.699,88.201 v1(107.1,87.8)
  BOT w0.102: U1B.AH30@92.7,72.2 v1(93.1,71.8) ; v1(107.1,87.8) U1F.D11@107.5,87.4
IL07_31.TB.G8.D3_N: U1B.AK30 U1F.C10 | length 25.8
  S2(H) w0.102: v1(94.7,71.8) 95.986,71.8 102.59,78.404 102.59,79.228 105.101,81.739 105.101,85.565 105.335,85.799 105.704,85.799 107.499,87.595 107.499,87.799 ; v1(106.3,88.6) 106.536,88.6 106.935,88.999 107.265,88.999 107.5,88.764 107.5,87.8
  BOT w0.102: U1B.AK30@94.3,72.2 v1(94.7,71.8) ; v1(106.3,88.6) U1F.C10@106.7,88.2
IL07_31.TB.G8.D3_P: U1B.AK29 U1F.D10 | length 24.3
  S2(H) w0.102: v1(94.7,72.6) 95.099,72.201 95.956,72.201 102.286,78.53 102.286,79.355 104.301,81.37 104.301,86.365 104.535,86.599 104.864,86.599 105.099,86.835 105.099,86.899 105.101,86.901 105.101,87.165 105.335,87.399 105.664,87.399 105.899,87.635 105.899,87.799 105.901,87.801 105.901,87.965 106.135,88.199 106.701,88.199 v1(107.1,88.6) v1(107.1,88.6)
  BOT w0.102: U1B.AK29@94.3,73 v1(94.7,72.6) ; v1(107.1,88.6) U1F.D10@107.5,88.2
IL07_31.TB.G13.C_N: U1B.AE32 U1F.B4 | length 33.4
  TOP w0.102: v1(89.9,70.2) 90.936,70.2 92.135,71.399 92.199,71.399 92.2,71.4 95.605,71.4 101.951,77.746 101.951,88.651 105.5,92.2 v1(105.5,93.4)
  BOT w0.102: v1(89.9,70.2) U1B.AE32@90.3,70.6 ; v1(105.5,93.4) U1F.B4@105.9,93
IL07_31.TB.G13.C_P: U1B.AD32 U1F.B3 | length 34
  TOP w0.102: v1(89.9,71) 89.9,71.564 90.535,72.199 95.973,72.199 101.646,77.873 101.646,88.915 105.101,92.37 105.101,93.801 v1(105.5,94.2)
  BOT w0.102: U1B.AD32@89.5,70.6 v1(89.9,71) ; v1(105.5,94.2) U1F.B3@105.9,93.8
IL07_31.TB.G13.D0_N: U1B.AK28 U1F.A3 | length 29
  BOT w0.102: U1B.AK28@94.3,73.8 94.7,73.4 95.266,73.4 95.5,73.634 95.5,74 95.7,74.2 97.276,74.2 98.805,75.729 98.805,91.791 100.814,93.8 U1F.A3@105.1,93.8
IL07_31.TB.G13.D0_P: U1B.AL28 U1F.A2 | length 28.3
  BOT w0.102: U1B.AL28@95.1,73.8 95.1,74.2 95.405,74.505 97.149,74.505 98.5,75.855 98.5,91.917 101.183,94.6 U1F.A2@105.1,94.6
IL07_31.TB.G13.D1_N: U1B.AM29 U1F.A5 | length 27.3
  BOT w0.102: U1B.AM29@95.9,73 96.938,73 99.414,75.477 99.414,91.539 100.976,93.1 104.2,93.1 U1F.A5@105.1,92.2
IL07_31.TB.G13.D1_P: U1B.AM28 U1F.A4 | length 26.9
  BOT w0.102: U1B.AM28@95.9,73.8 97.307,73.8 99.11,75.603 99.11,91.665 100.85,93.405 104.695,93.405 U1F.A4@105.1,93
IL07_31.TB.G13.D2_N: U1B.AL30 U1F.C7 | length 27.4
  BOT w0.102: U1B.AL30@95.1,72.2 95.5,71.8 95.9,71.8 97.162,71.8 100.105,74.743 100.105,87.093 103.23,90.218 104.316,91.305 105.995,91.305 U1F.C7@106.7,90.6
IL07_31.TB.G13.D2_P: U1B.AM30 U1F.D7 | length 27
  BOT w0.102: U1B.AM30@95.9,72.2 96.7,72.2 99.8,75.3 99.8,87.22 103.103,90.523 104.19,91.609 106.122,91.609 106.731,91 107.1,91 U1F.D7@107.5,90.6
IL07_31.TB.G13.D3_N: U1B.AJ32 U1F.A7 | length 28.8
  BOT w0.102: U1B.AJ32@93.5,70.6 94.41,69.69 97.553,69.69 100.714,72.852 100.714,86.841 103.482,89.609 104.473,90.6 U1F.A7@105.1,90.6
IL07_31.TB.G13.D3_P: U1B.AK32 U1F.B7 | length 28.9
  BOT w0.102: U1B.AK32@94.3,70.6 94.905,69.995 97.426,69.995 100.41,72.979 100.41,86.967 103.356,89.914 104.442,91 105.5,91 U1F.B7@105.9,90.6
IL07_31.TB.G13.D4_N: U1B.AJ31 U1F.E8 | length 28.8
  S6(H) w0.102: v1(93.9,71) 94.3,71.4 94.864,71.4 95.709,72.245 96.183,72.245 102.891,78.953 102.891,79.418 102.9,79.427 102.9,86.564 103.735,87.399 103.799,87.399 ; 103.8,87.4 106.3,87.4 ; 106.301,87.401 107.265,87.401 107.499,87.635 107.499,87.799 107.501,87.801 107.501,89.801 v1(107.9,90.2)
  BOT w0.102: U1B.AJ31@93.5,71.4 v1(93.9,71) ; v1(107.9,90.2) U1F.E8@108.3,89.8
IL07_31.TB.G13.D4_P: U1B.AK31 U1F.F8 | length 28.8
  S6(H) w0.102: v1(94.7,71) 94.895,71 95.835,71.94 96.309,71.94 103.196,78.827 103.196,79.292 103.205,79.3 103.205,86.069 103.735,86.599 107.699,86.599 108.301,87.201 108.301,89.801 v1(108.7,90.2)
  BOT w0.102: U1B.AK31@94.3,71.4 v1(94.7,71) ; v1(108.7,90.2) U1F.F8@109.1,89.8
IL07_31.TB.G13.D5_N: U1B.AL32 U1F.C8 | length 34.7
  S6(H) w0.102: v1(95.8,70.6) 96.099,70.301 97.265,70.301 104.299,77.335 104.299,78.299 104.301,78.301 104.301,84.765 104.535,84.999 108.864,84.999 109.9,86.036 109.9,89.2 ; v1(106.3,90.2) 106.3,90.3 106.982,90.982 108.914,90.982 109.899,89.996 109.899,89.201
  BOT w0.102: U1B.AL32@95.1,70.6 v1(95.8,70.6) ; v1(106.3,90.2) U1F.C8@106.7,89.8
IL07_31.TB.G13.D5_P: U1B.AM31 U1F.D8 | length 30.9
  S6(H) w0.102: v1(97.8,71.4) 103.405,77.005 103.405,78.605 103.51,78.71 103.51,78.826 103.501,78.835 103.501,79.165 103.51,79.174 103.51,84.81 104.5,85.8 108.864,85.8 109.1,86.036 109.1,90.364 108.865,90.599 107.801,90.599 107.8,90.6 107.5,90.6 v1(107.1,90.2)
  BOT w0.102: U1B.AM31@95.9,71.4 v1(97.8,71.4) ; v1(107.1,90.2) U1F.D8@107.5,89.8
IL07_31.TB.G13.D6: U1B.AH32 U1F.B8 | length 30.7
  BOT w0.102: U1B.AH32@92.7,70.6 93.914,69.386 97.679,69.386 101.019,72.726 101.019,86.715 103.608,89.304 104.505,90.2 105.5,90.2 U1F.B8@105.9,89.8
IL07_32.LR.G0.D0_N: U1C.U26 U1G.D5 | length 40
  S2(H) w0.102: v1(84.3,46.5) 84.3,47.536 85.499,48.735 85.499,57.064 85.735,57.299 97.669,57.299 99.023,58.653 99.023,63.078 100.845,64.9 104.936,64.9 105.336,64.499 106.701,64.499 v1(107.1,64.1)
  BOT w0.102: U1C.U26@83.9,46.9 v1(84.3,46.5) ; v1(107.1,64.1) U1G.D5@107.5,63.7
IL07_32.LR.G0.D0_P: U1C.U27 U1G.C5 | length 38.8
  S2(H) w0.102: v1(84.3,45.7) 84.3,45.936 84.699,46.335 84.699,47.504 85.804,48.608 85.804,49.039 86.299,49.535 86.299,56.264 86.535,56.499 97.301,56.499 99.328,58.527 99.328,62.952 100.971,64.595 104.809,64.595 105.305,64.1 v1(106.3,64.1)
  BOT w0.102: U1C.U27@83.9,46.1 v1(84.3,45.7) ; v1(106.3,64.1) U1G.C5@106.7,63.7
IL07_32.LR.G0.D1_N: U1C.T27 U1G.C3 | length 45.7
  S2(H) w0.102: 82.3,46.1 82.3,47.6 83.099,48.399 83.099,48.899 ; 82.301,46.099 82.301,45.535 82.535,45.301 83.399,45.301 83.4,45.3 83.664,45.3 83.899,45.535 83.899,46.099 83.5,46.498 v1(83.5,46.5) ; 83.1,48.9 83.1,57.064 85.736,59.7 97.264,59.7 98.109,60.544 98.109,63.457 101.741,67.09 104.715,67.09 105.02,66.784 105.4,66.404 105.792,66.404 106.3,65.895 v1(106.3,65.7)
  BOT w0.102: U1C.T27@83.1,46.1 v1(83.5,46.5) ; v1(106.3,65.7) U1G.C3@106.7,65.3
IL07_32.LR.G0.D1_P: U1C.R27 U1G.C4 | length 40.9
  S2(H) w0.102: v1(82.7,45.7) 83.1,46.1 83.1,47.136 84.699,48.735 84.699,48.999 ; 84.7,49 84.7,56.7 86.099,58.099 98.038,58.099 98.718,58.779 98.718,63.205 100.814,65.3 105.664,65.3 106.064,64.9 v1(106.3,64.9)
  BOT w0.102: U1C.R27@82.3,46.1 v1(82.7,45.7) ; v1(106.3,64.9) U1G.C4@106.7,64.5
IL07_32.LR.G0.D2_N: U1C.T26 U1G.E4 | length 42.6
  S2(H) w0.102: v1(82.7,46.5) 82.7,47.536 83.899,48.735 83.899,48.899 ; 83.9,48.9 83.9,57.064 85.736,58.901 97.386,58.901 98.414,59.928 98.414,63.331 101.182,66.099 105.665,66.099 105.899,65.865 105.899,65.536 106.135,65.301 107.499,65.301 v1(107.9,64.9)
  BOT w0.102: v1(82.7,46.5) U1C.T26@83.1,46.9 ; v1(107.9,64.9) U1G.E4@108.3,64.5
IL07_32.LR.G0.D2_P: U1C.R26 U1G.D4 | length 46.6
  S2(H) w0.102: v1(81.9,46.5) 81.9,48.336 82.299,48.735 82.299,50.8 82.301,50.802 82.301,57.065 85.735,60.499 96.095,60.499 97.804,62.208 97.804,63.583 101.615,67.394 104.841,67.394 105.336,66.899 107.735,66.899 108.065,66.899 108.299,66.665 108.299,64.9 108.299,64.735 108.065,64.501 107.499,64.501 v1(107.1,64.9)
  BOT w0.102: v1(81.9,46.5) U1C.R26@82.3,46.9 ; v1(107.1,64.9) U1G.D4@107.5,64.5